# Altium PCB EVK-NORA-W1.PcbDoc (part 2 of 4) (continued)
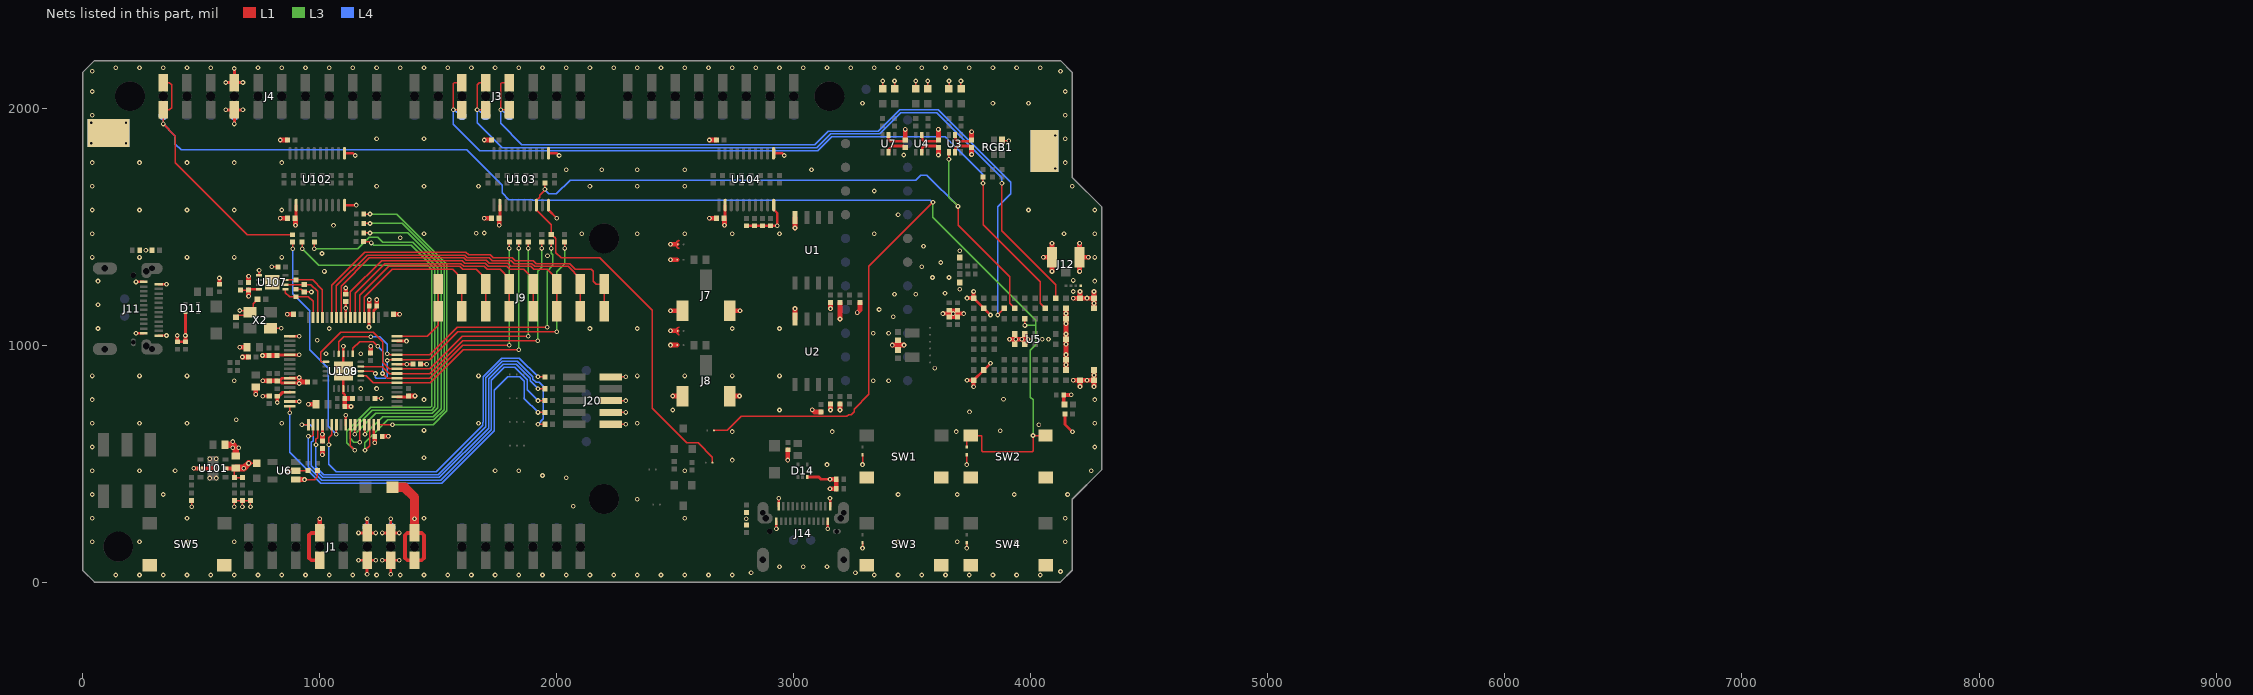
[diagram p4: the nets of this part, all layers, seen from the top]
## Part data (continued)
U3 U4 U7: "Buffer, Non-Inverting 2 Element 1 Bit per Element Push-Pull Output SC-70-6", Manufacturer 1="Texas Instruments", Manufacturer 2="ON Semiconductor", Manufacturer Part Number 1=SN74LVC2G34DCKR, Manufacturer Part Number 2=NC7WZ16P6X, Max Operating Temp=125, MFG Package=SC-70-6, Min Operating Temp=-40, Part Name="IC BUF NON-INVERT 5.5V SC70-6", Supplier Part Number 1=296-13497-1-ND, Voltage=5.5V, Body Size="1.25mm x 2mm", Height=1.1mm, Item Phase="In Production", Logic Type=Buffer, Part Number=225-00022, Pins=6, Revision=0A, SMT Pitch=0.65mm, Supplier 1=Digi-Key, Supplier 2=Digi-Key, Supplier Part Number 2=NC7WZ16P6XCT-ND, Thermal Pad=No, UBX Code=None, Use in new designs=Yes
U5: "u-blox NORA module generic symbol for use within module designs - alternate version", Manufacturer=u-blox, Manufacturer P/N=NORA, Body Size="14.3 mm x 10.4 mm", Height=0, Part Description="NORA MODULE FOOTPRINT", Part Name=NORA, Part Number=NORA, Part_Type=Module
U6: "Ideal Diode - OR Controller Source Selector Switch P-Channel 1:1 SOT-23-5", Current=1A, Manufacturer 1="Maxim Integrated Products", Manufacturer 2=None, Manufacturer Part Number 1=MAX40203AUK+T, Max Operating Temp=85, MFG Package=SOT-23-5, Min Operating Temp=-40, Part Name=MAX40203AUK, Supplier Part Number 1=175-MAX40203AUK+TTR-ND, Voltage=5.5V, Application="Power Switch", Body Size=None, Component Mounting Type=SMT, Height=None, HelpURL=https://datasheets.maximintegrated.com/en/ds/MAX40203.pdf, Interface=Discrete, Item Phase=Unreleased, Item_Phase=Preliminary, Manufacturer Part Number 2=None, Package Type=SOT-23-5, Part Number=265-00058, Part_Type="Ideal Diode", Pins=5, Reg Outputs="1xLoad Switch", Revision=None, SMT Pitch=0.95mm, Supplier 1=Digi-Key, Supplier 2=None, Supplier Part Number 2=None, Thermal Pad=None, UBX Code=None, Use in new designs=Yes
U101: library part UBXH12-0000459, "LOW DROPOUT REGULATOR ON SEMICONDUCTOR NCP692MN33T2G 6DFN 3.3V 6V 1A", Manufacturer="ON Semiconductor", Max Current=1A, Max Operating Temp=125°C, Max Voltage=6V, Min Operating Temp=-40°C, Editor=hakan.ekfors, Env=ROHS, Manufacturer P/N=NCP692MN33T2G, Mfg P/N Datasheet=https://wiki.u-blox.com/bin/view/Generic/Docs/DocumentSummary?index=35425, Mfg P/N Released=Yes, Mfg P/N Split=100, Mfg P/N Status=Active, Part Number=UBXH12-0000459, Part Type=Regulator, Perferred=PREF, Permitted Use="Volume Products", RefDes=U, Release Data="2021-08-23 15:14:48.502500", Released by=markus.wejrot, UBX Wiki=https://wiki.u-blox.com/bin/view/Operations/PartDetails?index=35423
U102 U103 U104: library part UBXH10-0000036, "TXS0108 8-BIT BIDIRECTIONAL VOLTAGE-LEVEL TRANSLATOR", Manufacturer="Texas Instruments", Max Operating Temp=85°C, Min Operating Temp=-40°C, Editor=roland.rust, Env=GREEN, Manufacturer P/N=TXS0108EPWR, Mfg P/N Datasheet=https://wiki.u-blox.com/bin/view/Generic/Docs/DocumentSummary?index=22748, Mfg P/N Released=Yes, Mfg P/N Split=100, Mfg P/N Status=Active, Part Number=UBXH10-0000036, Part Type=Interface, Perferred=PREF, Permitted Use="Support Products", RefDes=U, Release Data=2015-06-17T17:08:49, Released by=adam.johansson, UBX Wiki=https://wiki.u-blox.com/bin/view/Operations/PartDetails?index=22749
U107: library part UBXH13-0000121, "EEPROM SERIAL 2KBIT 256 X 8 1.8-5.5V DFN-8PIN-2X3MM 5.5V", Manufacturer=Microchip, Manufacturer P/N=93AA56AT-I/OT, Max Operating Temp=85°C, Max Voltage=5.5V, Min Operating Temp=-40°C, Copyright="Copyright (C) 2022 Ultra Librarian. All rights reserved.", Digi-Key_Part_Number_1=93AA56AT-I/MCCT-ND, Digi-Key_Part_Number_2=93AA56AT-I/MCDKR-ND, Digi-Key_Part_Number_3=93AA56AT-I/MCTR-ND, Editor=hakan.ekfors, Env=ROHS, Manufacturer_Part_Number=93AA56AT-I/MC, Mfg P/N Datasheet=https://wiki.u-blox.com/bin/view/Generic/Docs/DocumentSummary?index=20290, Mfg P/N Released=No, Mfg P/N Split=100, Mfg P/N Status=Active, Mfr_Name=Microchip, Part Number=UBXH13-0000121, Part Type=Memory, Perferred=PREF, Permitted Use="Volume Products", RefDes=U, Type=DEV, UBX Wiki=https://wiki.u-blox.com/bin/view/Operations/PartDetails?index=36436
U108: library part UBXH10-0000092, "FTDI FT4232HL QUAD HIGH SPEED USB TO MULTIPURPOSE UART LQFP-64", Manufacturer="FTDI Future Technology Devices International", Max Operating Temp=85°C, Min Operating Temp=-40°C, Editor=olof.viklund, Env=ROHS, Manufacturer P/N=FT4232HL, Mfg P/N Datasheet=https://wiki.u-blox.com/bin/view/Generic/Docs/DocumentSummary?index=16016, Mfg P/N Released=No, Mfg P/N Split=100, Mfg P/N Status=Active, Part Number=UBXH10-0000092, Part Type=Interface, Perferred=PREF, Permitted Use="Support Products", RefDes=U, Release Data="2021-08-27 14:44:23.358237", Released by=aneeb.sohail, UBX Wiki=https://wiki.u-blox.com/bin/view/Operations/PartDetails?index=35482
U109: library part UBXH10-0000054, "FTDI USB TO SERIAL FULL UART INTERFACE QFN20", Manufacturer="FTDI Future Technology Devices International", Max Operating Temp=85°C, Min Operating Temp=-40°C, Editor=adam.johansson, Env=ROHS, Manufacturer P/N=FT231XQ-R, Mfg P/N Datasheet=https://wiki.u-blox.com/bin/view/Generic/Docs/DocumentSummary?index=33707, Mfg P/N Released=No, Mfg P/N Split=100, Mfg P/N Status=Active, Part Number=UBXH10-0000054, Part Type=Interface, Perferred=PREF, Permitted Use="Support Products", RefDes=U, UBX Wiki=https://wiki.u-blox.com/bin/view/Operations/PartDetails?index=27258
X1: "XTAL, 2Pin, 32.768kHz, 7pF 20ppm", Frequency=32.768kHz, Frequency Tolerance=20ppm, Manufacturer=Epson, Manufacturer 2="AVX Corporation", Manufacturer P/N="FC-135 32.7680KA-AG3", Manufacturer P/N 2=ST3215SB32768C0HPWBB, MFG Package=2-SMD, Part Name="XTAL 32.768kHz 7pF 20ppm 3215", Supplier Part Number 1=SER4086CT-ND, Arena Link=https://app.bom.com/a/L3MU07Q7Q98O5PC8?v=spec.summary, Body Size="3.2mm x 1.5mm", CL=7pF, Component Mounting Type=SMT, Height=0.9mm, Item_Phase=Production, Part Number=100-00005, Part_Type=Crystal/Oscillator, Pins=2, Revision=0C, Supplier 1=Digi-Key, Supplier 2=Digi-Key, Supplier Part Number 2=1253-1113-1-ND, Use in new designs=Yes
X2: "XTAL, 4Pin, 12.0000MHz, 18pF, 20ppm, 4Pins", Manufacturer 1="Abracon LLC", Manufacturer 2="AVX Corporation", Manufacturer Part Number 1=ABM8-12.000MHZ-B2-T, Manufacturer Part Number 2=CX3225GB12000P0HPQCC, Max Operating Temp=75, MFG Package=4-SMD, Min Operating Temp=-20, Part Name="XTAL 12MHz 18pF 20ppm 3225", Supplier Part Number 1=535-9826-1-ND, Voltage=None, Body Size="3.2mm x 2.5mm", Height=0.8mm, Item Phase=Unreleased, Part Number=100-00006, Pins=4, Revision=None, Supplier 1=Digi-Key, Supplier 2=Digi-Key, Supplier Part Number 2=1253-1168-1-ND, UBX Code=None, Use in new designs=Yes

## Free pads (board coordinates)
  round 125.98 hole 125.98 unplated: 0(150,150) 0(200,2050) 0(2200,350) 0(2200,1450) 0(3150,2050)
  round 39.37 hole 39.37 unplated: 0(340,2050) 0(440,2050) 0(540,2050) 0(640,2050) 0(700,150) 0(740,2050) 0(800,150) 0(840,2050) 0(900,150) 0(940,2050) 0(1000,150) 0(1040,2050) 0(1100,150) 0(1140,2050) 0(1200,150) 0(1240,2050) 0(1300,150) 0(1400,150) 0(1400,2050) 0(1500,2050) 0(1600,150) 0(1600,2050) 0(1700,150) 0(1700,2050) 0(1800,150) 0(1800,2050) 0(1900,150) 0(1900,2050) 0(2000,150) 0(2000,2050) 0(2100,150) 0(2100,2050) 0(2300,2050) 0(2400,2050) 0(2500,2050) 0(2600,2050) 0(2700,2050) 0(2800,2050) 0(2900,2050) 0(3000,2050)

## Via types
v1: diameter 20, hole 10, L1 to L4, 454 vias
v2: diameter 20, hole 10, L1 to L4, tented both sides, 203 vias
v3: diameter 19.68/19.68/19.68/19.68 (per signal layer), hole 11.81, L1 to L4, 19 vias

## Nets (pads, with @x,y where several pads share a name; then routed paths per layer and width w, separated by ;. In a path a pad name is that pad's centre, name@x,y a point inside that pad or via, vN(x,y) a via of type N, cw(c..) or ccw(c..) an arc to the next point about the centre after c; other vN are vias at no path point)
+3V3: C13.1 C16.1 C19.1 C20.1 C21.1 C22.1 C23.1 C25.1 C28.1 C39.1 C40.1 C41.1 C60.1 D4.2 D5.2 D6.2 D7.2 D8.2 D9.2 D10.2 F3.1 F4.1 F5.1 J1.4 J7.3 J8.3 J20.1 JIO.2 JMOD.2 JRIO.2 JRMOD.2 R1.2 R2.2 R3.2 R4.2 R37.2 R38.2 R69.1 R71.1 R81.2 R82.1 R85.1 R86.2 R87.2 R88.2 R89.2 R91.2 RGB1.4 TP14.1 U3.5 U4.5 U6.1 U7.5 U101.5 U102.2 U102.10 U103.2 U103.10 U104.2 U104.10 U107.8 U108.20 U108.31 U108.42 U108.50 U108.56 | length 3065.5
  L1 w5.91: C16.1@646,481.41 644.59,480 640,475.41 R37.2@640,440.75 R38.2@673,440.75 ; R89.2@666,1232.25 C41.1@700,1232.25 C41.1@703.22,1235.47 ; v1(700,501) 700.5,501.5 D10.2@732,501.5 ; v1(798,1330) R86.2@824.25,1330 ; R88.2@900,1235.75 922.91,1235.75 934.41,1224.25 R87.2@935,1224.25 v1@965,1224.25 ; v1(936,432.6) 978.6,432.6 990,444 R82.1@990,470.25 ; R91.2@1233.75,775 v1(1260,775) ; J20.1@2227.77,666 v1(2291,666) ; D4.2@3375,2081.5 v1(3375,2114) ; D5.2@3425,2081.5 v1(3425,2114) ; D6.2@3515,2081.5 v1(3515,2114) ; D7.2@3565,2081.5 v1(3565,2114) ; D8.2@3655,2081.5 v1(3655,2114) ; D9.2@3705,2081.5 v1(3705,2114) ; RGB1.4@3877.73,1862.54 v1(3907,1862.54)
  L1 w6: 2516.5,1043.21 cw(c2522.26,1059.73) 2504.77,1060 cw(c2522.26,1059.73) 2516.5,1076.25
  L1 w10: C41.1@703.22,1235.47 U107.8@744.39,1235.47 ; U102.2@900.35,1589.69 U102.2@900.43,1589.76 ; U102.10@1105.16,1590.73 v1(1154.25,1590.73) ; U103.10@1965.16,1590.73 1965.16,1569.84 v1(2000,1535) ; R2.2@2800,1503.25 R3.2@2834,1503.25 R4.2@2868,1503.25 R1.2@2902,1503.25 v1(2930,1503.25) 2930,1556.66 2915.16,1571.5 U104.10@2915.16,1590.73
  L1 w12: v1(760,784.75) R85.1@787,784.75 ; C19.1@897.72,1535 900.35,1537.64 U102.2@900.35,1589.69 ; v1(1011.42,624) U108.20@1011.42,663.62 ; U108.56@1109.84,1116.38 v1(1109.84,1156) 1109.84,1183.09 C28.1@1110,1183.25 ; U108.50@1227.95,1116.38 1227.95,1145.8 1236.51,1154.36 1236.51,1160.17 1240.75,1164.41 C60.1@1240.75,1165 ; U108.31@1227.95,663.62 1227.98,618.92 C20.1@1232.03,614.91 ; v1(1232,588) v1@1232.13,588.13 ; U108.42@1326.38,919.53 v1(1367,919.53) C21.1@1393.25,919.53 ; C22.1@1757.72,1535 1760.43,1537.72 U103.2@1760.43,1590.73 ; C23.1@2707.72,1535 2710.43,1537.72 U104.2@2710.43,1590.73 ; U7.5@3400,1886.42 3400,1868 3408,1860 3462.28,1860 C40.1@3470,1867.72 ; U4.5@3540,1886.42 3541.87,1884.54 3541.87,1867.03 3548.9,1860 3602.28,1860 C39.1@3610,1867.72 ; U3.5@3680,1886.42 3681.87,1884.54 3681.87,1867.03 3688.9,1860 3742.28,1860 C25.1@3750,1867.72 ; R81.2@4144.25,710 4144.25,665.5 v1(4175.75,634)
  L1 w16: U101.5@602.76,480 C16.1@644.59,480 ; J1.4@1000,92.32 964.37,92.32 955,101.7 955,198.3 964.37,207.68 J1.4@1000,207.68 ; 2503.53,1425 JMOD.2@2510.4,1425 ; 2504.77,1060 JIO.2@2510.4,1060
  L1 w20: v1(663,991) F4.1@694.41,991 ; v1(700,1206) C41.1@700,1232.25 ; v1(730,792) F3.1@730,823.41 ; v1(897.72,1506) C19.1@897.72,1535 ; U6.1@899.21,432.6 v1(936,432.6) ; v1(952.36,750) F5.1@984.41,750 ; J1.4@1000,207.68 v1(1000,267) ; C13.1@1011.42,595.75 v1(1011.42,624) ; v1@1232.16,588.16 C20.1@1232.16,614.91 ; C60.1@1240.75,1165 v1(1240.75,1192) ; v1(1757.72,1506) C22.1@1757.72,1535 ; v1(2480,1000) JRIO.2@2508.4,1000 ; v1(2480,1060) 2504.77,1060 ; v1(2480,1145.04) J7.3@2530,1145.04 ; v1(2480,1360) JRMOD.2@2508.4,1360 ; v1(2480,1425) 2503.53,1425 ; v1(2489,785.04) J8.3@2530,785.04 ; v1(2707.72,1506) C23.1@2707.72,1535 ; v1(3195,726) R71.1@3195,752.25 ; v1(3195,1110) R69.1@3195,1180.25 ; C40.1@3470,1867.72 v1(3470,1910) ; C39.1@3610,1867.72 v1(3610,1910) ; C25.1@3750,1867.72 v1(3750,1900)
  L1 w28: C16.1@646,481.41 680,481.41 v1@700.41,501.82
  L4 w10: TP14.1@1000,225 TP14.1@1000,230.32 v1(1000,267)
  other v1: 680,481 965,1224
+Vin: D1.A J1.8 TP18.1 | length 670.8
  L1 w16: 1360,102 1369.68,92.32 J1.8@1400,92.32 1430.54,92.32 1440,101.78 1440,198 1430.32,207.68 J1.8@1400,207.68 1369.68,207.68 1360,198 1360,102
  L1 w40: D1.A@1307.09,400 1358,400 1400,358 J1.8@1400,207.68
  L4 w10: TP18.1@1400,225 v1(1400,267)
FTDI-BOOTn: R10.1 U108.23 | length 926.2
  L1 w5.91: v2(886,1406) R10.1@886,1434.25 ; v1@1070.24,624 1070.24,663.39 U108.23@1070.47,663.62
  L4 w5.91: v2(886,1406) 886,1217 958,1145 958,980.85 1036,902.85 1036,658 v1(1070,624)
FTDI-CTS: R29.1 U108.41 U109.6 | length 1538.6
  L1 w5.91: U109.6@1026.56,929.37 1007.46,929.37 1004,932.83 1004,969.89 1089.11,1055 1225,1055 1265.33,1014.67 1265.33,927.67 1293.16,899.84 U108.41@1326.38,899.84 1464.84,899.84 1602,1037 v1(1880,1037) ; v1(1880,1408) R29.1@1880,1434.25
  L3 w5.91: v1@1880,1040 v1(1880,1408)
FTDI-DSR: R32.1 U108.44 U109.4 | length 1410.7
  L1 w5.91: U109.4@1080.32,963.44 1080.32,1014.32 1101,1035 v1(1215,1035) ; v1@1285,965 1288.81,965 1294.92,958.9 U108.44@1326.38,958.9 1464.9,958.9 1581,1075 v1(1960,1075) ; v1(1977,1408) R32.1@1977,1435.25
  L3 w5.91: v1@1960,1080 1960,1312 1984,1336 1984,1380.45 1977,1387.45 v1(1977,1408)
  L4 w5.91: v1(1215,1035) 1254,1035 1285,1004 v1(1285,964)
FTDI-DTR: R30.1 U108.43 U109.18 | length 1357.3
  L1 w5.91: U109.18@1173.44,890 1224.49,890 1234.49,880 v1(1235,880) ; v1@1285,939.09 1285.06,939.15 U108.43@1326.38,939.21 ; U108.43@1326.38,939.21 1465.21,939.21 1582,1056 v1(2000,1056) ; R30.1@2033,1435.25 2033,1409 v1(2034,1408)
  L3 w5.91: v1@2000,1060 2000,1309 2034,1343 v1(2034,1408)
  L4 w5.91: v1(1235,880) 1235,863.46 1238.46,860 1277.25,860 1285,867.75 v1(1285,935)
FTDI-EE-CLK: R87.1 U107.2 U108.62 | length 258
  L1 w5.91: U107.2@855.61,1255.16 962.84,1255.16 991.73,1226.27 U108.62@991.73,1116.38
FTDI-EE-CS: R88.1 U107.1 U108.63 | length 213.8
  L1 w5.91: U107.1@855.61,1235.47 855.61,1221.67 873.03,1204.25 R88.1@900,1204.25 952.36,1204.25 972.05,1184.57 U108.63@972.05,1116.38
FTDI-EE-DATA: R90.1 U107.3 U108.61 | length 290.7
  L1 w5.91: U107.3@855.61,1274.84 899.59,1274.84 R90.1@900,1275.25 970.16,1275.25 1011.42,1233.99 U108.61@1011.42,1116.38
FTDI-GPIO0: J9.1 U108.48 | length 367.1
  L1 w5.91: U108.48@1326.38,1037.64 1454.64,1037.64 1500,1083 J9.1@1500,1142.32 J9.1@1500,1257.68
FTDI-GPIO1: J9.2 U108.52 | length 700.4
  L1 w5.91: U108.52@1188.58,1116.38 1188.58,1201.67 1306.91,1320 1560.71,1320 1600,1280.71 J9.2@1600,1257.68 J9.2@1600,1142.32
FTDI-GPIO2: J9.3 U108.53 | length 835.1
  L1 w5.91: U108.53@1168.9,1116.38 1168.9,1210.42 1290.48,1332 1590.53,1332 1602.53,1320 1660.71,1320 1700,1280.71 J9.3@1700,1257.68 J9.3@1700,1142.32
FTDI-GPIO3: J9.4 U108.54 | length 969.9
  L1 w5.91: U108.54@1149.21,1116.38 1149.21,1219.21 1274,1344 1596,1344 1608,1332 1694,1332 1706,1320 1760.71,1320 1800,1280.71 J9.4@1800,1257.68 J9.4@1800,1142.32
FTDI-GPIO4: J9.5 U108.55 | length 1102.8
  L1 w5.91: U108.55@1129.53,1116.38 1129.69,1116.54 1129.69,1224.89 1260.8,1356 1601.35,1356 1612.6,1344.75 1698.25,1344.75 1711,1332 1789.72,1332 1801.72,1320 1860.71,1320 1900,1280.71 J9.5@1900,1257.68 J9.5@1900,1142.32
FTDI-GPIO5: J9.6 U108.57 | length 1266.4
  L1 w5.91: U108.57@1090.16,1116.38 1090.16,1249.16 1209,1368 1607,1368 1618,1357 1703.45,1357 1715.7,1344.75 1794.17,1344.75 1806.92,1332 1890,1332 1902,1320 1960.71,1320 2000,1280.71 J9.6@2000,1257.68 J9.6@2000,1142.32
FTDI-GPIO6: J9.7 U108.58 | length 1396.2
  L1 w5.91: U108.58@1070.47,1116.38 1070.47,1249.47 1201,1380 1611.7,1380 1622.85,1368.85 1714.85,1368.85 1727.14,1356.56 1807.46,1356.56 1820.02,1344 1895,1344 1907,1332 2048.71,1332 2100,1280.71 J9.7@2100,1257.68 J9.7@2100,1142.32
FTDI-GPIO7: J9.8 U108.59 | length 1538.3
  L1 w5.91: U108.59@1050.79,1116.38 1050.79,1252.79 1190,1392 1617,1392 1628,1381 1719.7,1381 1731.85,1368.85 1812.15,1368.85 1825,1356 1900.7,1356 1912.7,1344 2054.23,1344 2078.23,1320 2145,1320 2154,1311 2154,1270 2166.32,1257.68 J9.8@2200,1257.68 J9.8@2200,1142.32
FTDI-RESETn: R9.1 U108.22 | length 1447.4
  L1 w5.91: v1@1039.51,580 v1(1039,580) 1039,609.71 1050.79,621.5 U108.22@1050.79,663.62 ; v1(1921,866) R9.1@1950.25,866
  L4 w5.91: v1(1039,580) 1039,496.59 1069.59,466 1492.67,466 1688.86,662.19 1688.86,673.86 1689,674 1689,867 1767,945 1842,945 v1(1921,866)
FTDI-RTS: R23.1 U108.40 U109.19 | length 1238.2
  L1 w5.91: U109.19@1173.44,909.68 1264.61,909.68 1294.14,880.16 U108.40@1326.38,880.16 1465.16,880.16 1603,1018 v1(1920,1018) ; v1(1937,1408) R23.1@1937,1435.25
  L3 w5.91: v1@1920,1020 1920,1312 1937,1329 v1(1937,1408)
FTDI-RxD: R22.1 U108.39 U109.1 | length 1306.3
  L1 w5.91: U109.1@1139.37,963.44 1139.37,986.12 1168.25,1015 1225,1015 v1(1245,995) ; v1@1265.33,880.16 1285.01,860.47 U108.39@1326.38,860.47 1465.02,860.47 1603.55,999 v1(1800,999) ; v1(1800,1408) R22.1@1800,1434.25
  L3 w5.91: v1@1800,1000 v1(1800,1408)
  L4 w5.91: v1(1245,995) 1265,975 v1(1265,880)
FTDI-SPI-CLK: R12.1 U108.26 | length 1800.3
  L1 w5.91: v1(926,1406) R12.1@926,1434.25 ; U108.26@1129.53,663.62 1128,662.09 1128,576 v1(1148,556)
  L3 w5.91: v1(926,1406) 996,1336 1455.48,1336 1473,1318.48 1473,742.6 1467.4,737 1215,737 1115,637 1115,589 v1(1148,556)
FTDI-SPI-CS: R15.1 U108.29 | length 1391.3
  L1 w5.91: R15.1@1185.75,1473 v1(1212,1473) ; U108.29@1188.58,663.62 1191,661.2 v1(1191,624)
  L3 w5.91: v1(1191,624) 1265,698 1478.51,698 1512,731.49 1512,1332 1371,1473 v1(1212,1473)
FTDI-SPI-D: R13.1 U108.27 | length 1646.9
  L1 w5.91: v1(977.5,1406) R13.1@977.5,1434.41 ; v1(1148,624) 1148,662.41 U108.27@1149.21,663.62
  L3 w5.91: v1@982.09,1406.16 982.25,1406 1161,1406 1209,1454 1244,1454 1265,1433 1393,1433 1499,1327 1499,735.19 1475.81,712 1236,712 v1(1148,624)
FTDI-SPI-HD: R17.1 U108.32 | length 1374.4
  L1 w5.91: R17.1@1185.75,1553 v1(1212,1553) ; U108.32@1247.64,663.62 v1@1310.75,663.62
  L3 w5.91: v1(1212,1553) 1325,1553 1537,1341 1537,723.09 1478.06,664.15 v1(1307.09,664.15)
FTDI-SPI-Q: R14.1 U108.28 | length 1481.2
  L1 w5.91: v1(1168.9,590) U108.28@1168.9,663.62 ; R14.1@1184.87,1436.41 1208.78,1436.41 1214.19,1431 v1(1218,1431)
  L3 w5.91: v1(1168.9,590) 1144,590 1128,606 1128,632 1221,725 1472.1,725 1486,738.9 1486,1322.19 1387,1421.19 1229,1421.19 1219.19,1431 v1(1218,1431)
FTDI-SPI-WP: R16.1 U108.30 | length 1562.3
  L1 w5.91: R16.1@1185.75,1513 v1(1212,1513) ; v1(1191,556) 1211,576 1211,660.89 U108.30@1208.27,663.62
  L3 w5.91: v1(1191,556) 1191,589 1287,685 1482.21,685 1525,727.79 1525,1336 1348,1513 v1(1212,1513)
FTDI-TCK: R5.1 U108.16 | length 1717
  L1 w5.91: v1(873.62,715) U108.16@873.62,742.36 ; v1(1921,716) R5.1@1950.25,716
  L4 w5.91: v1(873.62,715) 873.62,547.83 1003.46,418 1515.3,418 1736.24,638.95 1736.24,809.57 1793.67,867 1844.47,867 1864,847.47 1864,773 v1(1921,716)
FTDI-TDI: R6.1 U108.17 | length 1621
  L1 w5.91: v1(925,663.62) U108.17@952.36,663.62 ; v1@1918.47,813.47 v1(1921,816) R6.1@1950.25,816
  L4 w5.91: v1(925,663.62) 960.38,663.62 972,652 972,597 965,590 965,490.3 1013.3,442 1504.49,442 1712.62,650.13 1712.62,857.22 1774.93,919.53 1828.47,919.53 1888,860 1888,849 v1(1921,816)
FTDI-TDO: R7.1 U108.18 | length 1623.2
  L1 w5.91: v1(952.36,615) 952.47,615.11 967.11,615.11 972.05,620.05 U108.18@972.05,663.62 U108.18@969.09,666.57 ; v1(1921,766) R7.1@1950.25,766
  L4 w5.91: v1(952.36,615) 952.36,485.8 1008.16,430 1510.59,430 1724.43,643.84 1724.43,852.32 1779.36,907.25 1822.75,907.25 1876,854 1876,811 v1(1921,766)
FTDI-TMS: R8.1 U108.19 | length 1720.6
  L1 w5.91: v1(984.41,580) 984.41,602.52 991.73,609.84 U108.19@991.73,663.62 ; v1(1921,666) R8.1@1950.25,666
  L4 w5.91: v1(984.41,580) 984.41,487.59 1018,454 1499.78,454 1700.81,655.03 1700.81,862.11 1770.7,932 1834,932 1899.81,866.19 1899.81,856.19 1912.59,843.41 1926.89,843.41 1944,826.3 1944,689 v1(1921,666)
FTDI-TxD: R20.1 U108.38 U109.17 | length 1191.1
  L1 w5.91: U109.17@1173.44,870.32 1195.68,870.32 1225.21,840.79 U108.38@1326.38,840.79 1466.79,840.79 1606,980 v1(1840,980) v1@1840.36,980 ; v1(1840,1408) R20.1@1840,1434.25
  L3 w5.91: v1(1840,980) v1(1840,1408)
GND: C1.2 C2.2 C3.2 C4.2 C5.2 C6.2 C7.1 C8.2 C9.2 C10.2 C11.2 C12.2 C13.2 C14.2 C15.2 C16.2 C17.1 C18.2 C19.2 C20.2 C21.2 C22.2 C23.2 C24.2 C25.2 C26.2 C27.2 C28.2 C29.2 C30.2 C31.2 C32.2 C33.2 C34.2 C35.2 C36.2 C37.2 C38.2 C39.2 C40.2 C41.2 C43.2 C44.2 C45.2 C46.1 C47.2 C50.1 C60.2 C61.2 D11.3 D14.3 D21.2 D22.2 D23.2 D24.2 J1.6 J1.7 J4.4 J7.1 J8.1 J11.A1 J11.A12 J11.B1 J11.B12 J12.2 J14.A1 J14.A12 J14.B1 J14.B12 J20.3 J20.5 J20.9 L1.2 R35.2 R40.1 R41.1 R42.1 R46.1 R62.2 R80.1 R83.1 R84.1 R92.2 R94.2 R95.1 R96.2 SW1.3 SW1.4 SW2.3 SW2.4 SW3.3 SW3.4 SW4.3 SW4.4 SW5.3 SW5.4 TP16.1 TP17.1 TP44.1 TP101.1 TP102.1 TP103.1 TP104.1 U1.4 U2.4 U3.2 U4.2 U5.A1 U5.A9 U5.B2 U5.B8 U5.E4 U5.E5 U5.F4 U5.F5 U5.K2 U5.K3 U5.K5 U5.K7 U5.K8 U5.L1 U5.L9 U5.M1 U5.M2 U5.M8 U5.M9 U6.2 U7.2 U101.2 U102.11 U103.11 U104.11 U107.5 U107.9 U108.1 U108.5 U108.10 U108.11 U108.13 U108.15 U108.25 U108.35 U108.47 U108.51 U109.3 U109.13 U109.21 X2.2 X2.4 | length 6871.5
  L1 w5.91: v1(353.91,1040.26) v1@354,1040.35 ; v1(460,318) R40.1@460,344.25 ; v1(640,318) R42.1@640,344.25 R41.1@674,344.25 ; C37.2@647,1117.72 655.28,1126 694.23,1126 X2.2@706.69,1138.46 ; v1(663,1145.8) 699.36,1145.8 X2.2@706.69,1138.46 ; v1(674,318) R41.1@674,344.25 ; v1(708,318) R80.1@708,344.25 R41.1@674,344.25 ; C36.2@737.28,1193 719.68,1175.4 719.68,1151.45 X2.2@706.69,1138.46 ; X2.4@793.31,1071.54 v1(838,1071.54) ; U6.2@899.21,470 949.75,470 R83.1@950,470.25 ; J20.3@2227.77,716 v1(2291,716) ; J20.5@2227.77,766 v1(2291,766) ; J20.9@2227.77,866 v1(2291,866) ; v1(3153,354) v1@3153.09,353.91 ; v1(3290,143.69) D23.2@3290,166.93 ; v1(3290,496) D21.2@3290,536.93 ; v1(3629,1132.9) v1@3629.05,1132.95 ; 3656,1132.95 v1(3673,1133) v1(3673,1133) 3690,1133 ; v1(3730,143.69) D24.2@3730,166.93 ; v1(3730,496) D22.2@3730,536.93 ; v1@3829.69,923 v1(3830,923) ; v1@3829.69,1127 v1(3830,1127)
  L1 w10: v1(225,1050.01) J11.B1@257.31,1050.01 ; v1(225,1266.54) J11.B12@257.31,1266.54 ; J11.A12@320.3,1040.26 v1(353.91,1040.26) ; J11.A1@320.3,1256.7 v1(354,1256.7) ; U107.5@744.39,1294.53 v1(744.39,1316) ; v1(1100,995) U109.3@1100,963.44 U109.21@1100,890 U109.13@1100,816.56 1100,797 1105.75,791.25 C1.2@1105.75,775 ; U102.11@1105.16,1809.27 1140.73,1809.27 v1(1150,1800) ; C38.2@1105.75,741 C38.2@1105.75,746 ; U103.11@1965.16,1809.27 2000.73,1809.27 v1(2010,1800) ; U104.11@2915.16,1809.27 2950.73,1809.27 v1(2960,1800) ; v1(2926.81,225) J14.B12@2926.81,257.31 ; J14.A1@2936.65,320.3 v1(2936.65,354) ; v1(3143.35,225) J14.B1@3143.35,257.31 ; J14.A12@3153.09,320.3 v1@3153.09,353.91
  L1 w12: C17.1@399.43,1014.09 R35.2@433.43,1014.09 ; v1(433.43,1040.34) D11.3@433.43,1136.32 ; v1(604,1992.32) J4.4@640,1992.32 ; v1(604,2107.68) J4.4@640,2107.68 ; v2(640,1933) J4.4@640,1992.32 ; v2(640,2167) J4.4@640,2107.68 ; v1(676,1992.32) J4.4@640,1992.32 ; v1(676,2107.68) J4.4@640,2107.68 ; v1@759.01,849.25 v1(760,849.25) ; C10.2@820,956.25 820.71,956.25 823.35,958.9 U108.5@873.62,958.9 v1(914.22,958.9) ; C35.2@821,784.25 825.24,788.49 831.64,788.49 844.47,801.32 873.53,801.32 U108.13@873.62,801.42 ; C14.2@829.89,849.25 841.11,860.47 U108.10@873.62,860.47 873.72,860.57 909.27,860.57 911.84,863.13 v1(914,863.13) 927.88,849.25 945.02,849.25 C3.2@949.25,845 949.25,844.41 945.02,840.17 918.21,840.17 916.16,838.13 v1(914,838.13) 911.84,838.13 909.27,840.69 873.72,840.69 U108.11@873.62,840.79 838.53,840.79 C14.2@830.07,849.25 ; U108.15@873.62,762.05 v1(914,762.05) ; U108.1@873.62,1037.64 v1(914.22,1037.64) ; U108.25@1109.84,663.62 v1(1109.84,704) ; v1(1164,92.32) J1.6@1200,92.32 ; v1(1164,207.68) J1.6@1200,207.68 ; v2(1200,33) J1.6@1200,92.32 ; v2(1200,267) J1.6@1200,207.68 ; v1(1208,1076) 1208.13,1076.13 1208.13,1116.24 U108.51@1208.27,1116.38 1208.27,1164.02 C60.2@1209.25,1165 ; v1(1236,92.32) J1.6@1200,92.32 ; v1(1236,207.68) J1.6@1200,207.68 ; v1(1264,92.32) J1.7@1300,92.32 ; v1(1264,207.68) J1.7@1300,207.68 ; v2(1300,33) J1.7@1300,92.32 ; v2(1300,267) J1.7@1300,207.68 ; U108.35@1326.38,781.73 1371.06,781.73 C33.2@1375,785.67 ; U108.47@1326.38,1017.95 1326.47,1017.86 1364.14,1017.86 v1@1365,1017 ; v1(1336,92.32) J1.7@1300,92.32 ; v1(1336,207.68) J1.7@1300,207.68 ; C21.2@1424.75,919.53 v1(1451,919.53) ; D14.3@3056.73,443.43 3105.57,443.43 3115,434 v1(3153,434) ; U7.2@3400,1813.58 3401.87,1815.46 3401.87,1827.57 3414.3,1840 3462.28,1840 C40.2@3470,1832.28 ; U4.2@3540,1813.58 3541.87,1815.46 3541.87,1832.97 3548.9,1840 3602.28,1840 C39.2@3610,1832.28 ; U3.2@3680,1813.58 3681.87,1815.46 3681.87,1832.97 3688.9,1840 3742.28,1840 C25.2@3750,1832.28 ; U5.A1@3758.46,851.77 U5.B2@3801.77,895.08 v1@3829.69,923 ; U5.A9@3758.46,1198.23 U5.B8@3801.77,1154.92 v1@3829.69,1127
  L1 w16: C17.1@399.43,1014.09 v1(399.43,1040.34) ; R35.2@433.43,1014.09 v1(433.43,1040.34) ; v1(469,480) U101.2@497.24,480 550,480 ; C7.1@577,1256.75 v2(577,1283) ; v1(821,758) C35.2@821,784.25 ; C14.2@821,849.25 829.89,849.25 C14.2@830.07,849.25 ; v1(863,470) U6.2@899.21,470 ; v1@3629.05,1132.95 3656,1132.95 ; v1(3717,1133) 3690,1133 ; v1(3731,851.77) U5.A1@3758.46,851.77 v1(3758.46,824) ; v1(3731,1198.23) U5.A9@3758.46,1198.23 v1(3758.46,1226) ; C9.2@4142.28,750 4138.75,753.54 C15.2@4138.75,790 v1@4166,790 ; v1@4205.71,1309.9 v1(4205.71,1310.99) ; 3656,1132.95 C4.2@3656,1147.25 C2.2@3690,1147.25 3690,1133 ; 3656,1132.95 C6.2@3656,1118.75 C5.2@3690,1118.75 3690,1133
  L1 w20: v1(674,950) R84.1@699.25,950 ; C41.2@700,1263.75 v1(700,1290) ; v1(759.01,956.25) C30.2@786,956.25 C10.2@820,956.25 ; v1(760,849.25) C31.2@787,849.25 C14.2@821,849.25 ; v1(834,1535) C19.2@862.28,1535 ; v1(834,1865) C29.2@862.28,1865 ; v1(863,1130) C61.2@889.25,1130 ; v1(914,838.13) v1(914,863.13) ; v1(1011.42,537.67) C13.2@1011.42,564.25 ; C38.2@1105.75,741 v1(1132,741) ; C38.2@1105.75,746 C1.2@1105.75,775 R92.2@1138.25,775 ; C28.2@1110,1214.75 v1(1110,1241) ; C60.2@1209.25,1165 v1(1209.25,1192) ; C34.2@1215,966.75 v1(1215,995) ; C20.2@1263.75,615 v1(1290,615) ; C32.2@1310.75,1130 v1(1337,1130) ; C33.2@1375,785.67 v1(1402,785.67) ; v1(1694,1535) C22.2@1722.28,1535 ; v1(1694,1865) C27.2@1722.28,1865 ; v1(2644,1535) C23.2@2672.28,1535 ; v1(2644,1865) C26.2@2672.28,1865 ; J8.1@2730,785.04 v1(2771,785.04) ; J7.1@2730,1145.04 v1(2773,1145.04) ; v1(2975,515) C46.1@2975,558.25 ; U2.4@3005,1109.8 v1(3005,1154) ; v1(3005,1494) U1.4@3005,1537.8 ; v3(3078,727) 3086.75,718.25 C47.2@3115,718.25 ; v1(3153,394) C50.1@3179.27,394 ; v1(3153,434) R62.2@3179.27,434 C50.1@3179.27,394 ; v1(3155,726) C24.2@3155,752.25 ; v1(3155,1154) C12.2@3155,1180.25 ; C50.1@3179.27,393 C50.1@3179.27,394 ; v3(3268,1137) 3279,1148 C45.2@3279,1179.25 ; v1(3415,1000) 3440,1000 ; C11.2@3440,979.72 3440,1000 ; C8.2@3440,1020.28 3440,1000 ; v1(3465,1000) 3440,1000 ; v1@3610,1804 C39.2@3610,1832.28 ; v1(3750,1804) C25.2@3750,1832.28 ; v1(3910,1025) v1@3931.69,1025 ; U5.E4@3931.69,1003.35 v1@3931.69,1025 ; U5.E5@3931.69,1046.65 v1@3931.69,1025 ; U5.F4@3975,1003.35 3975,1025 ; U5.F5@3975,1046.65 3975,1025 ; v1(3988,1025) 3975,1025 ; v1(4053,1370.57) 4089.07,1370.57 J12.2@4089.57,1370.08 ; v1(4089.57,1310.99) J12.2@4089.57,1370.08 ; v1(4089.57,1429.99) J12.2@4089.57,1370.08 ; U5.K2@4148.23,895.08 v1(4148.23,916.73) U5.K3@4148.23,938.39 v1(4148.23,960.04) v1(4148.23,1003.35) U5.K5@4148.23,1025 v1(4148.23,1046.98) v1(4148.23,1090.61) U5.K7@4148.23,1111.61 v1(4148.23,1133.27) U5.K8@4148.23,1154.92 ; v1(4179,851.77) U5.L1@4207.28,851.77 ; v1(4179,1197.83) U5.L9@4207.28,1197.83 ; v1(4205.71,1310.99) J12.2@4205.71,1370.08 ; v1(4205.71,1429.99) J12.2@4205.71,1370.08 ; v1(4207.28,825) U5.L1@4207.28,851.77 ; v1(4207.28,1226) U5.L9@4207.28,1198.23 U5.L9@4207.28,1197.83 ; v1(4243,1370.08) J12.2@4205.71,1370.08 ; v1(4266.34,825) U5.M1@4266.34,851.77 ; U5.M2@4266.34,895.08 v1(4266.34,873.43) U5.M1@4266.34,851.77 ; U5.M8@4266.34,1154.92 v1(4266.34,1176.58) U5.M9@4266.34,1198.23 ; v1(4266.34,1226) U5.M9@4266.34,1198.23 ; v1@3931.69,1025 v1(3936,1025) v1(3962,1025) 3975,1025 ; U5.L1@4207.28,851.77 v1(4237,851.77) U5.M1@4266.34,851.77 ; U5.L9@4207.28,1197.83 4265.94,1197.83 U5.M9@4266.34,1198.23
  L1 w28: C18.2@601.59,580 633,580 646,567 C16.2@646,532.59
  L4 w10: TP17.1@1200,225 TP17.1@1200,230.32 v2(1200,267) ; TP16.1@1300,225 v2(1300,267)
  L4 w12: v2(640,1933) TP44.1@640,1968.5
  other v1: 1140,30 1240,30 3440,170 3690,170 3940,170 4145,170 2540,270 4145,270 2070,320 2340,350 3440,370 3690,370 3930,370 4155,370 536,439 564,439 2040,440 1940,450 1740,470 1840,470 4255,470 536,521 564,521 633,567 659,567 4270,570 633,593 3685,635 2340,670 4270,670 40,770 4270,770 4170,790 1173.44,816.56 3335,850 3400,850 1026.56,963.44 1173.44,963.44 1366,1017 4048.61,1025 4074.61,1025 3335,1050 3400,1050 2140,1070 3420,1120 3360,1150 4237,1198.23 3425,1215 3515,1215 3638,1218.94 4179,1226 3700,1236 4270,1270 4179,1273 3585,1285 3655,1285 3540,1330 3620,1348.29 40,1370 4270,1370 3700,1398 3547,1417.29 3340,1470 4140,1470 4270,1470 3440,1550 40,1570 3990,1570 4270,1570 3340,1650 40,1670 4175,1670 2040,1740 2190,1740 2340,1740 2540,1740 3075,1740 4103,1745 4145,1770 3464,1802 3610,1802 37,1852 183,1852 4145,1870 4103,1884 183,1938 4145,1970 3290,2020 3840,2020 3990,2020 4145,2070 4125,2155 3040,2170 3240,2170 3640,2170 3840,2170 3940,2170 4040,2170
  other v2: 140,30 240,30 340,30 440,30 540,30 640,30 740,30 840,30 940,30 1040,30 1340,30 1440,30 1540,30 1640,30 1740,30 1840,30 1940,30 2040,30 2140,30 2240,30 2340,30 2440,30 2540,30 2640,30 2740,30 3340,30 3440,30 3540,30 3640,30 3740,30 3840,30 3940,30 4040,30 2820,40 3260,40 4125,45 2940,65 3040,65 3140,65 40,170 240,170 440,170 640,170 2800,267 40,270 440,270 1440,270 40,370 340,370 40,470 240,470 390,470 2540,470 3140,496 2740,515 1440,525 40,570 2740,635 3162,635 1440,640 40,670 240,670 440,670 840,670 1670,670 648,685 2489,726 2940,726 1440,770 1240,816.55 640,850 40,870 240,870 440,870 1670,870 2340,870 2540,870 2740,870 2940,870 990,1020 65,1070 1040,1070 2340,1070 2740,1070 2940,1070 65,1170 65,1270 1020,1310.83 240,1370 440,1370 640,1370 840,1370 1009.67,1386.42 267,1400 1340,1453 40,1470 1440,1470 2105,1470 2340,1470 2540,1470 2740,1470 2940,1470 1660,1472 1694,1473 240,1570 440,1570 640,1570 840,1570 1240,1670 1440,1670 1670,1670 2140,1670 2340,1670 2540,1670 40,1770 240,1770 440,1770 640,1770 840,1770 1240,1870 1440,1870 37,1938 40,1970 40,2070 40,2155 140,2170 240,2170 340,2170 440,2170 540,2170 740,2170 840,2170 940,2170 1040,2170 1140,2170 1240,2170 1340,2170 1440,2170 1540,2170 1640,2170 1740,2170 1840,2170 1940,2170 2040,2170 2140,2170 2240,2170 2340,2170 2440,2170 2540,2170 2640,2170 2740,2170 2840,2170 2940,2170 3140,2170 3340,2170 3440,2170 3540,2170 3740,2170
  other v3: 3871,639 4034,664 3741.6,718.25 3885,771.42 3595,903 1961,1377 1058,1505
GPIO0/BOOTn: D22.1 J4.1 JRMOD3.1 R10.2 SW2.1 SW2.2 TP41.1 U5.F7 | length 7902.8
  L1 w5.91: J4.1@340,2107.68 340.47,2107.21 366.34,2107.21 376,2097.56 376,2002 366.32,1992.32 J4.1@340,1992.32 v2(340,1933) 391,1882 391,1770 695.25,1465.75 R10.2@886,1465.75 ; JRMOD3.1@2663,640 2718.33,640 2777.49,699.16 3223.16,699.16 3231.14,707.14 3242.81,707.14 3254.03,718.37 3254.03,730.03 3316.14,792.14 3316.14,1331.89 v1(3587.25,1603) ; D22.1@3730,570 3730,601.06 SW2.1@3747.52,618.58 3794,618.58 3794,553.46 3797.46,550 4005.89,550 4009.35,553.46 v1(4009.35,618.58) SW2.2@4062.48,618.58 ; v1(3975,1083) U5.F7@3975,1111.61
  L3 w5.91: v1(3587.25,1603) 3587.25,1538.45 4021.16,1104.54 4021.16,1083 ; v1(3975,1083) 4021.16,1083 ; v1(4009.35,618.58) 4009.35,768.65 3997,781 3997,977.65 4021.16,1001.81 4021.16,1083
  L4 w5.91: TP41.1@340,1968.5 v2(340,1933) 391,1882 391,1848 415,1824 1621,1824 1770,1675 1770,1642.46 1798.46,1614 1896.75,1614 1898.75,1612 3575.56,1612 3584.56,1603 v1(3587.25,1603)
GPIO1/UART0-DTR: JRMOD2.2 R32.2 R58.2 U3.1 U5.E8 U103.8 | length 4244.2
  L1 w5.91: U103.8@1913.98,1588.79 1913.98,1610.71 1927.76,1624.49 1927.76,1632.04 1950,1654.28 R58.2@1950,1684.25 ; U103.8@1913.98,1590.73 1913.98,1570.76 1977,1507.74 R32.2@1977,1466.75 1977.59,1466.75 1989.99,1454.35 1991.5,1454.35 1996.69,1449.16 1996.69,1390.32 2019.38,1367.62 2182.48,1367.62 2403,1147.1 2403,733.32 2548.05,588.27 2596.59,588.27 2657,527.86 JRMOD2.2@2657,504 ; v1(3654.41,1784) U3.1@3654.41,1813.58 ; v1(3693,1585) 3693,1506 3910.04,1288.96 3910.04,1176.58 U5.E8@3931.69,1154.92
  L3 w5.91: v1(3654.41,1784) 3654.41,1623.59 v1(3693,1585)
  L4 w5.91: v1(1950,1658) 1950,1654.81 1966.81,1638 1998,1638 2056.19,1696.19 3514.19,1696.19 3535,1717 3561,1717 v1(3693,1585)
GPIO2/ADC1-CH1: J3.3 R78.1 TP33.1 U5.H8 | length 3361.4
  L1 w5.91: J3.3@1600,1992.32 v2(1564,1992.32) 1564,2104.22 1567.46,2107.68 J3.3@1600,2107.68 ; R78.1@3798,1709.25 v1(3798,1683) 3799.57,1681.43 3799.57,1507.43 4039.96,1267.04 4039.96,1176.58 U5.H8@4061.61,1154.92
  L4 w5.91: TP33.1@1600,1968.5 v2(1564,1992.32) 1564,1931 1676,1819 3101,1819 3161,1879 3638.9,1879 3798,1719.9 v1(3798,1683)
GPIO3/ADC1-CH2: J3.4 TP34.1 U5.J9 | length 3315.2
  L1 w5.91: J3.4@1700,1992.32 v2(1664,1992.32) 1664,2099.22 1672.46,2107.68 J3.4@1700,2107.68 ; v1(3878,1683) 3878,1482 4104.92,1255.08 U5.J9@4104.92,1198.23
  L4 w5.91: v2@1664.59,1991.73 v2(1664,1992.32) ; TP34.1@1700,1968.5 v2(1664,1992.32) ; v1(3878,1683) 3878,1706 3604,1980 3451.84,1980 3362.84,1891 3155,1891 3096,1832 1770,1832 1664,1938 v2(1664,1992.32)
GPIO4/ADC1-CH3: J3.5 TP35.1 U5.D8 | length 3283
  L1 w5.91: J3.5@1800,1992.32 v2(1764,1992.32) 1764,2104.22 1767.46,2107.68 J3.5@1800,2107.68 ; v1(3860,1127) 3860.46,1127 U5.D8@3888.39,1154.92
  L4 w5.91: v2@1764.09,1992.23 v2(1764,1992.32) ; TP35.1@1800,1968.5 v2(1764,1992.32) ; v1(3860,1127) 3860,1584 3915,1639 3915,1686.46 3609.14,1992.32 3446.32,1992.32 3357,1903 3145.81,1903 3088.95,1846.14 1853.16,1846.14 1764,1935.3 v2(1764,1992.32)